# KiCad board Lime_RFE.kicad_pcb (continued)
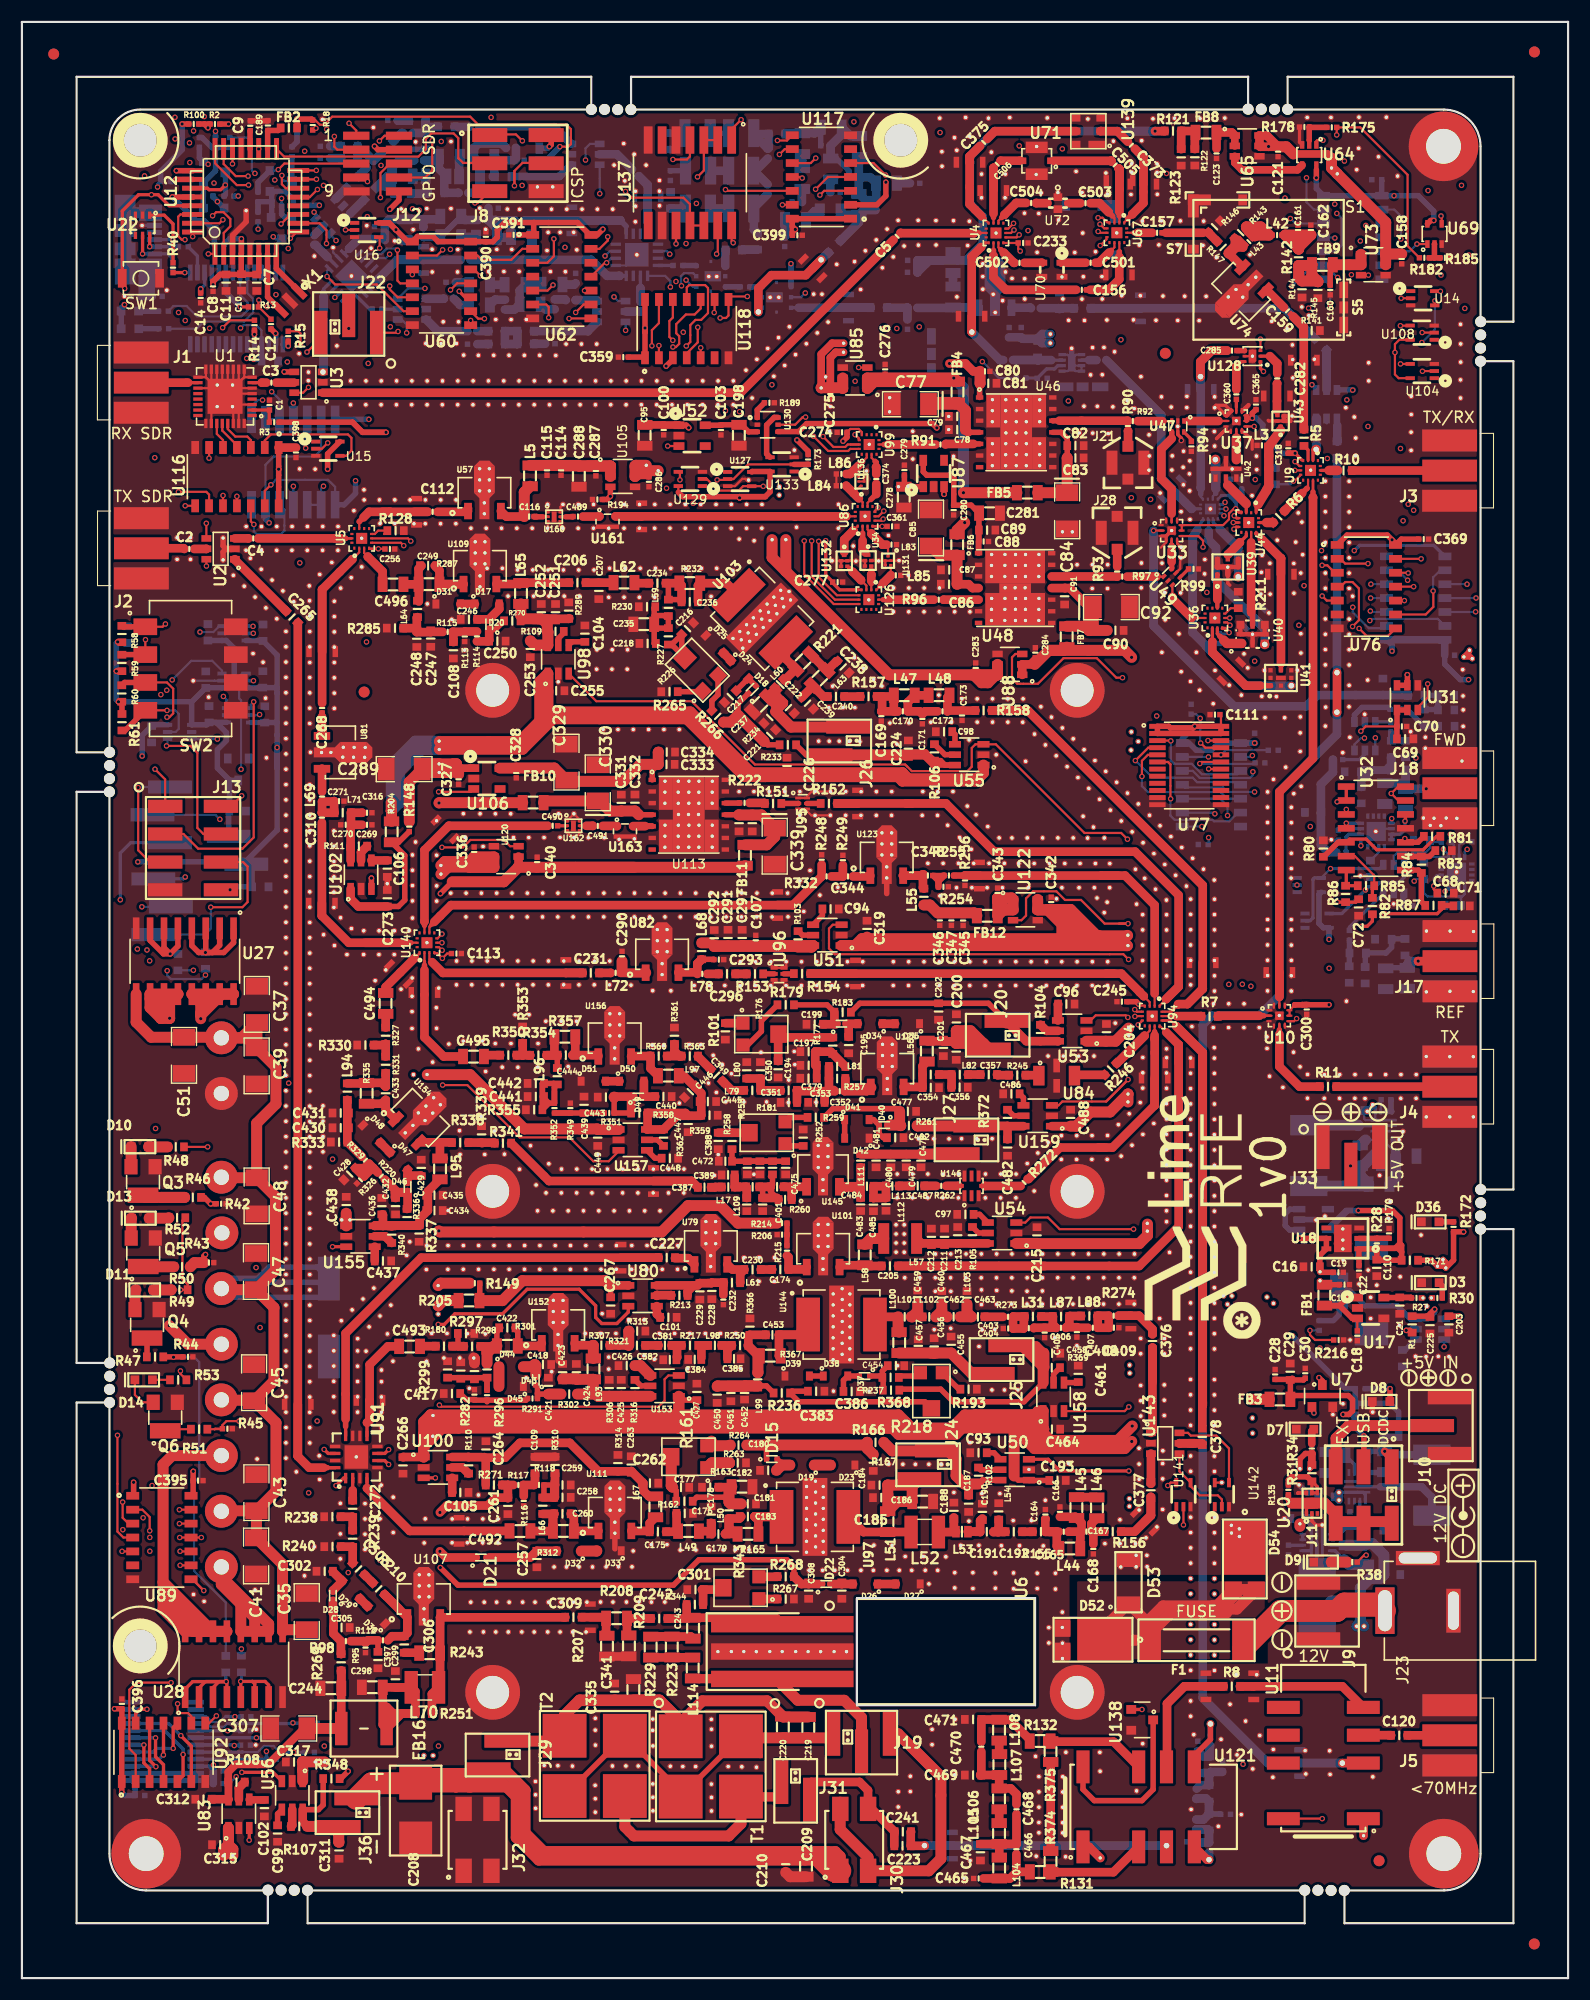
[diagram p0: board, top side]
## Nets (continued)
GND: C1.2 C7.2 C8.2 C9.1 C10.2 C11.2 C13.2 C14.2 C15.2 C16.2 C17.2 C18.2 C19.2 C20.1 C21.1 C22.2 C23.1 C24.2 C25.1 C26.1 C27.2 C28.2 C29.2 C30.2 C31.2 C32.2 C33.2 C34.2 C35.2 C36.2 C37.2 C38.2 C39.2 C40.2 C41.2 C42.2 C43.2 C44.2 C45.2 C46.2 C47.2 C48.2 C49.2 C50.2 C51.2 C52.2 C53.2 C54.2 C55.2 C56.2 C57.2 C64.1 C66.1 C67.1 C68.1 C69.2 C70.2 C71.2 C72.2 C74.2 C75.2 C77.2 C78.2 C79.2 C80.2 C81.2 C82.2 C83.2 C84.2 C85.2 C86.2 C87.2 C88.2 C89.2 C90.2 C91.2 C92.2 C93.2 C94.2 C95.2 C96.2 C97.2 C98.2 C99.2 C100.2 C101.2 C102.2 C103.2 C104.2 C105.2 C106.2 C107.2 C108.2 C109.2 C110.2 C111.1 C113.2 C114.2 C115.2 C121.2 C123.2 C124.1 C125.1 C127.2 C129.2 C131.2 C133.2 C135.2 C137.2 C139.2 C147.2 C149.2 C150.2 C152.2 C155.2 C158.2 C160.2 C161.1 C162.1 C163.1 C164.2 C166.2 C168.2 C169.2 C171.2 C173.2 C176.2 C177.1 C178.2 C180.2 C181.2 C182.1 C184.2 C185.1 C186.2 C187.2 C188.2 C189.1 C190.2 C193.1 C194.1 C195.2 C196.2 C197.2 C198.2 C199.2 C200.1 C201.1 C202.2 C203.1 C204.1 C207.2 C208.2 C209.1 C210.1 C211.1 C212.1 C213.2 C214.2 C215.1 C216.1 C217.2 C218.2 C221.2 C222.1 C224.2 C225.2 C226.1 C228.2 C229.2 C232.2 C233.2 C235.2 C237.1 C238.2 C239.2 C244.2 C245.2 C246.2 C247.2 C248.2 C250.2 C251.1 C252.1 C253.2 C254.2 C255.1 C256.2 C257.2 C258.2 C259.2 C261.2 C262.1 C263.1 C264.2 C266.1 C267.1 C269.1 C270.1 C271.2 C273.1 C274.2 C275.2 C276.2 C277.2 C278.2 C279.2 C280.2 C281.2 C283.2 C284.2 C286.2 C287.2 C288.2 C289.2 C290.2 C291.2 C292.2 C293.2 C297.2 C298.2 C299.2 C300.2 C301.1 C302.2 C304.2 C305.2 C307.2 C308.2 C311.2 C312.2 C314.2 C315.1 C316.2 C317.1 C318.2 C319.1 C320.2 C322.2 C324.2 C326.2 C327.2 C328.2 C329.2 C330.2 C331.2 C332.2 C333.2 C334.2 C335.1 C336.2 C337.2 C338.2 C339.2 C340.2 C341.1 C342.2 C343.2 C345.2 C346.1 C347.1 C350.1 C352.2 C354.2 C356.2 C358.1 C359.1 C361.2 C362.1 C363.2 C364.2 C365.2 C366.2 C368.2 C369.1 C370.2 C371.2 C379.2 C380.1 C382.2 C383.1 C384.2 C385.2 C386.2 C388.1 C389.1 C390.1 C391.1 C392.1 C393.2 C394.1 C395.1 C396.1 C397.2 C398.1 C399.1 C401.2 C402.2 C403.2 C405.2 C407.2 C409.2 C410.2 C412.2 C414.2 C416.2 C417.2 C418.2 C419.2 C420.2 C421.2 C423.1 C424.1 C425.2 C426.2 C427.1 C428.2 C429.2 C430.2 C431.2 C432.2 C434.1 C435.1 C436.2 C437.2 C438.1 C439.2 C440.2 C441.2 C442.2 C443.2 C445.1 C446.1 C447.2 C448.2 C449.1 C450.2 C451.2 C452.2 C454.2 C455.1 C456.1 C457.1 C458.2 C459.1 C460.2 C461.2 C464.1 C465.2 C467.2 C469.2 C471.2 C472.2 C473.2 C474.2 C475.2 C477.2 C478.1 C479.1 C480.1 C481.1 C482.2 C483.2 C485.2 C486.2 C488.1 C507.1 C508.1 CON1.5 D3.2 D7.2 D8.2 D9.2 D12.1 D12.2 D23.1 D25.1 D27.1 D30.1 D31.1 D33.1 D35.1 D36.2 D39.1 D42.1 D45.1 D48.1 D51.1 D52.2 D53.2 GND_VIA.1 GND_VIA#2.1 GND_VIA#3.1 GND_VIA#4.1 GND_VIA#5.1 GND_VIA#6.1 GND_VIA#7.1 GND_VIA#8.1 GND_VIA#9.1 GND_VIA#10.1 GND_VIA#11.1 GND_VIA#12.1 GND_VIA#13.1 GND_VIA#14.1 GND_VIA#15.1 GND_VIA#16.1 GND_VIA#18.1 GND_VIA#19.1 GND_VIA#20.1 GND_VIA#21.1 GND_VIA#22.1 GND_VIA#23.1 GND_VIA#24.1 GND_VIA#25.1 GND_VIA#26.1 GND_VIA#27.1 GND_VIA#28.1 GND_VIA#29.1 GND_VIA#33.1 GND_VIA#34.1 GND_VIA#41.1 GND_VIA#42.1 GND_VIA#43.1 GND_VIA#46.1 GND_VIA#47.1 GND_VIA#48.1 GND_VIA#49.1 GND_VIA#50.1 GND_VIA#51.1 GND_VIA#52.1 GND_VIA#53.1 GND_VIA#54.1 GND_VIA#55.1 GND_VIA#56.1 GND_VIA#57.1 GND_VIA#58.1 GND_VIA#59.1 GND_VIA#60.1 GND_VIA#61.1 GND_VIA#62.1 GND_VIA#63.1 GND_VIA#64.1 GND_VIA#65.1 GND_VIA#66.1 GND_VIA#67.1 GND_VIA#68.1 GND_VIA#69.1 GND_VIA#70.1 GND_VIA#71.1 GND_VIA#72.1 GND_VIA#73.1 GND_VIA#74.1 GND_VIA#75.1 GND_VIA#76.1 GND_VIA#77.1 GND_VIA#78.1 GND_VIA#79.1 GND_VIA#80.1 GND_VIA#81.1 GND_VIA#82.1 GND_VIA#83.1 GND_VIA#84.1 GND_VIA#85.1 GND_VIA#86.1 GND_VIA#87.1 GND_VIA#88.1 GND_VIA#89.1 GND_VIA#90.1 GND_VIA#91.1 GND_VIA#92.1 GND_VIA#93.1 GND_VIA#94.1 GND_VIA#95.1 GND_VIA#96.1 GND_VIA#97.1 GND_VIA#98.1 GND_VIA#102.1 GND_VIA#103.1 GND_VIA#104.1 GND_VIA#107.1 GND_VIA#108.1 GND_VIA#109.1 GND_VIA#110.1 GND_VIA#111.1 GND_VIA#112.1 GND_VIA#113.1 GND_VIA#114.1 GND_VIA#115.1 GND_VIA#116.1 GND_VIA#117.1 GND_VIA#118.1 GND_VIA#119.1 GND_VIA#120.1 GND_VIA#121.1 GND_VIA#122.1 GND_VIA#123.1 GND_VIA#124.1 GND_VIA#125.1 GND_VIA#126.1 GND_VIA#127.1 GND_VIA#128.1 GND_VIA#129.1 GND_VIA#130.1 GND_VIA#131.1 GND_VIA#132.1 GND_VIA#133.1 GND_VIA#134.1 GND_VIA#135.1 GND_VIA#136.1 GND_VIA#137.1 GND_VIA#138.1 GND_VIA#139.1 GND_VIA#140.1 GND_VIA#141.1 GND_VIA#142.1 GND_VIA#143.1 GND_VIA#144.1 GND_VIA#145.1 GND_VIA#146.1 GND_VIA#147.1 GND_VIA#148.1 GND_VIA#149.1 GND_VIA#150.1 GND_VIA#151.1 GND_VIA#152.1 GND_VIA#153.1 GND_VIA#154.1 GND_VIA#155.1 GND_VIA#156.1 GND_VIA#157.1 GND_VIA#158.1 GND_VIA#159.1 GND_VIA#160.1 GND_VIA#161.1 GND_VIA#162.1 GND_VIA#163.1 GND_VIA#164.1 GND_VIA#165.1 GND_VIA#166.1 GND_VIA#167.1 GND_VIA#168.1 GND_VIA#169.1 GND_VIA#170.1 GND_VIA#171.1 GND_VIA#172.1 GND_VIA#173.1 GND_VIA#174.1 GND_VIA#175.1 GND_VIA#176.1 GND_VIA#177.1 GND_VIA#178.1 GND_VIA#179.1 GND_VIA#180.1 GND_VIA#181.1 GND_VIA#182.1 GND_VIA#183.1 GND_VIA#184.1 GND_VIA#185.1 GND_VIA#186.1 GND_VIA#187.1 GND_VIA#188.1 GND_VIA#189.1 GND_VIA#190.1 GND_VIA#191.1 GND_VIA#192.1 GND_VIA#193.1 GND_VIA#194.1 GND_VIA#195.1 GND_VIA#196.1 GND_VIA#197.1 GND_VIA#198.1 GND_VIA#199.1 GND_VIA#200.1 GND_VIA#201.1 GND_VIA#202.1 GND_VIA#203.1 GND_VIA#204.1 GND_VIA#205.1 GND_VIA#206.1 GND_VIA#207.1 GND_VIA#208.1 GND_VIA#209.1 GND_VIA#210.1 GND_VIA#211.1 GND_VIA#212.1 GND_VIA#213.1 GND_VIA#214.1 GND_VIA#215.1 GND_VIA#216.1 GND_VIA#217.1 GND_VIA#218.1 GND_VIA#219.1 GND_VIA#220.1 GND_VIA#221.1 GND_VIA#222.1 GND_VIA#223.1 GND_VIA#224.1 GND_VIA#225.1 GND_VIA#226.1 GND_VIA#227.1 GND_VIA#228.1 GND_VIA#229.1 GND_VIA#230.1 GND_VIA#231.1 GND_VIA#232.1 GND_VIA#233.1 GND_VIA#234.1 GND_VIA#235.1 GND_VIA#236.1 GND_VIA#237.1 GND_VIA#238.1 GND_VIA#239.1 GND_VIA#240.1 GND_VIA#241.1 GND_VIA#242.1 GND_VIA#243.1 GND_VIA#244.1 GND_VIA#245.1 GND_VIA#246.1 GND_VIA#247.1 GND_VIA#248.1 GND_VIA#249.1 GND_VIA#250.1 GND_VIA#251.1 GND_VIA#252.1 GND_VIA#253.1 GND_VIA#254.1 GND_VIA#255.1 GND_VIA#256.1 GND_VIA#257.1 GND_VIA#258.1 GND_VIA#259.1 GND_VIA#260.1 GND_VIA#261.1 GND_VIA#262.1 GND_VIA#263.1 GND_VIA#264.1 GND_VIA#265.1 GND_VIA#266.1 GND_VIA#267.1 GND_VIA#268.1 GND_VIA#269.1 GND_VIA#270.1 GND_VIA#271.1 GND_VIA#272.1 GND_VIA#273.1 GND_VIA#274.1 GND_VIA#275.1 GND_VIA#276.1 GND_VIA#277.1 GND_VIA#278.1 GND_VIA#279.1 GND_VIA#280.1 GND_VIA#281.1 GND_VIA#282.1 GND_VIA#283.1 GND_VIA#284.1 GND_VIA#285.1 GND_VIA#286.1 GND_VIA#287.1 GND_VIA#288.1 GND_VIA#289.1 GND_VIA#290.1 GND_VIA#291.1 GND_VIA#292.1 GND_VIA#293.1 GND_VIA#294.1 GND_VIA#295.1 GND_VIA#296.1 GND_VIA#297.1 GND_VIA#298.1 GND_VIA#299.1 GND_VIA#300.1 GND_VIA#301.1 GND_VIA#302.1 GND_VIA#303.1 GND_VIA#304.1 GND_VIA#305.1 GND_VIA#306.1 GND_VIA#307.1 GND_VIA#308.1 GND_VIA#309.1 GND_VIA#310.1 GND_VIA#311.1 GND_VIA#312.1 GND_VIA#313.1 GND_VIA#314.1 GND_VIA#315.1 GND_VIA#316.1 GND_VIA#317.1 GND_VIA#318.1 GND_VIA#319.1 GND_VIA#320.1 GND_VIA#321.1 GND_VIA#322.1 GND_VIA#323.1 GND_VIA#324.1 GND_VIA#325.1 GND_VIA#326.1 GND_VIA#327.1 GND_VIA#328.1 GND_VIA#329.1 GND_VIA#330.1 GND_VIA#331.1 GND_VIA#332.1 GND_VIA#333.1 GND_VIA#334.1 GND_VIA#335.1 GND_VIA#336.1 GND_VIA#337.1 GND_VIA#338.1 GND_VIA#339.1 GND_VIA#340.1 GND_VIA#341.1 GND_VIA#342.1 GND_VIA#343.1 GND_VIA#344.1 GND_VIA#345.1 GND_VIA#346.1 GND_VIA#347.1 GND_VIA#348.1 GND_VIA#349.1 GND_VIA#350.1 GND_VIA#351.1 GND_VIA#352.1 GND_VIA#353.1 GND_VIA#354.1 GND_VIA#355.1 GND_VIA#356.1 GND_VIA#357.1 GND_VIA#358.1 GND_VIA#359.1 GND_VIA#360.1 GND_VIA#361.1 GND_VIA#362.1 GND_VIA#363.1 GND_VIA#364.1 GND_VIA#365.1 GND_VIA#366.1 GND_VIA#367.1 GND_VIA#368.1 GND_VIA#369.1 GND_VIA#370.1 GND_VIA#371.1 GND_VIA#372.1 GND_VIA#373.1 GND_VIA#374.1 GND_VIA#375.1 GND_VIA#376.1 GND_VIA#377.1 GND_VIA#378.1 GND_VIA#379.1 GND_VIA#380.1 GND_VIA#381.1 GND_VIA#382.1 GND_VIA#383.1 GND_VIA#384.1 GND_VIA#385.1 GND_VIA#386.1 GND_VIA#387.1 GND_VIA#388.1 GND_VIA#389.1 GND_VIA#390.1 GND_VIA#391.1 GND_VIA#392.1 GND_VIA#393.1 GND_VIA#394.1 GND_VIA#395.1 GND_VIA#396.1 GND_VIA#397.1 GND_VIA#398.1 GND_VIA#399.1 GND_VIA#400.1 GND_VIA#401.1 GND_VIA#402.1 GND_VIA#403.1 GND_VIA#404.1 GND_VIA#405.1 GND_VIA#406.1 GND_VIA#407.1 GND_VIA#408.1 GND_VIA#409.1 GND_VIA#410.1 GND_VIA#411.1 GND_VIA#412.1 GND_VIA#413.1 GND_VIA#414.1 GND_VIA#415.1 GND_VIA#416.1 GND_VIA#417.1 GND_VIA#418.1 GND_VIA#419.1 GND_VIA#420.1 GND_VIA#421.1 GND_VIA#422.1 GND_VIA#423.1 GND_VIA#424.1 GND_VIA#425.1 GND_VIA#426.1 GND_VIA#427.1 GND_VIA#428.1 GND_VIA#429.1 GND_VIA#430.1 GND_VIA#431.1 GND_VIA#432.1 GND_VIA#433.1 GND_VIA#434.1 GND_VIA#435.1 GND_VIA#436.1 GND_VIA#437.1 GND_VIA#438.1 GND_VIA#439.1 GND_VIA#440.1 GND_VIA#441.1 GND_VIA#442.1 GND_VIA#443.1 GND_VIA#444.1 GND_VIA#445.1 GND_VIA#446.1 GND_VIA#447.1 GND_VIA#448.1 GND_VIA#449.1 GND_VIA#450.1 GND_VIA#451.1 GND_VIA#452.1 GND_VIA#453.1 GND_VIA#454.1 GND_VIA#455.1 GND_VIA#456.1 GND_VIA#457.1 GND_VIA#458.1 GND_VIA#459.1 GND_VIA#460.1 GND_VIA#461.1 GND_VIA#462.1 GND_VIA#463.1 GND_VIA#464.1 GND_VIA#465.1 GND_VIA#466.1 GND_VIA#467.1 GND_VIA#468.1 GND_VIA#469.1 GND_VIA#470.1 GND_VIA#471.1 GND_VIA#472.1 GND_VIA#473.1 GND_VIA#474.1 GND_VIA#475.1 GND_VIA#476.1 GND_VIA#477.1 GND_VIA#478.1 GND_VIA#479.1 GND_VIA#480.1 GND_VIA#481.1 GND_VIA#482.1 GND_VIA#483.1 GND_VIA#484.1 GND_VIA#485.1 GND_VIA#486.1 GND_VIA#487.1 GND_VIA#488.1 GND_VIA#489.1 GND_VIA#490.1 GND_VIA#491.1 GND_VIA#492.1 GND_VIA#493.1 GND_VIA#494.1 GND_VIA#495.1 GND_VIA#496.1 GND_VIA#497.1 GND_VIA#498.1 GND_VIA#499.1 GND_VIA#500.1 GND_VIA#501.1 GND_VIA#502.1 GND_VIA#503.1 GND_VIA#504.1 GND_VIA#505.1 GND_VIA#506.1 GND_VIA#507.1 GND_VIA#508.1 GND_VIA#509.1 GND_VIA#510.1 GND_VIA#511.1 GND_VIA#512.1 GND_VIA#513.1 GND_VIA#514.1 GND_VIA#515.1 GND_VIA#516.1 GND_VIA#517.1 GND_VIA#518.1 GND_VIA#519.1 GND_VIA#520.1 GND_VIA#521.1 GND_VIA#522.1 GND_VIA#523.1 GND_VIA#524.1 GND_VIA#525.1 GND_VIA#526.1 GND_VIA#527.1 GND_VIA#528.1 GND_VIA#529.1 GND_VIA#530.1 GND_VIA#531.1 GND_VIA#532.1 GND_VIA#533.1 GND_VIA#534.1 GND_VIA#535.1 GND_VIA#536.1 GND_VIA#537.1 GND_VIA#538.1 GND_VIA#539.1 GND_VIA#540.1 GND_VIA#541.1 GND_VIA#542.1 GND_VIA#543.1 GND_VIA#544.1 GND_VIA#545.1 GND_VIA#546.1 GND_VIA#547.1 GND_VIA#562.1 GND_VIA#563.1 GND_VIA#564.1 GND_VIA#565.1 GND_VIA#566.1 GND_VIA#567.1 GND_VIA#568.1 GND_VIA#569.1 GND_VIA#570.1 GND_VIA#571.1 GND_VIA#572.1 GND_VIA#573.1 GND_VIA#574.1 GND_VIA#575.1 GND_VIA#576.1 GND_VIA#577.1 GND_VIA#578.1 GND_VIA#579.1 GND_VIA#580.1 GND_VIA#581.1 GND_VIA#582.1 GND_VIA#583.1 GND_VIA#584.1 GND_VIA#585.1 GND_VIA#586.1 GND_VIA#587.1 GND_VIA#588.1 GND_VIA#589.1 GND_VIA#590.1 GND_VIA#591.1 GND_VIA#592.1 GND_VIA#593.1 GND_VIA#594.1 GND_VIA#595.1 GND_VIA#596.1 GND_VIA#597.1 GND_VIA#598.1 GND_VIA#599.1 GND_VIA#600.1 GND_VIA#601.1 GND_VIA#602.1 GND_VIA#603.1 GND_VIA#604.1 GND_VIA#605.1 GND_VIA#606.1 GND_VIA#607.1 GND_VIA#608.1 GND_VIA#609.1 GND_VIA#610.1 GND_VIA#611.1 GND_VIA#612.1 GND_VIA#613.1 GND_VIA#614.1 GND_VIA#615.1 GND_VIA#616.1 GND_VIA#617.1 GND_VIA#618.1 GND_VIA#619.1 GND_VIA#620.1 GND_VIA#621.1 GND_VIA#622.1 GND_VIA#623.1 GND_VIA#624.1 GND_VIA#625.1 GND_VIA#626.1 GND_VIA#627.1 GND_VIA#628.1 GND_VIA#629.1 GND_VIA#630.1 GND_VIA#631.1 GND_VIA#632.1 GND_VIA#633.1 GND_VIA#634.1 GND_VIA#635.1 GND_VIA#636.1 GND_VIA#637.1 GND_VIA#638.1 GND_VIA#639.1 GND_VIA#640.1 GND_VIA#641.1 GND_VIA#642.1 GND_VIA#643.1 GND_VIA#644.1 GND_VIA#645.1 GND_VIA#646.1 GND_VIA#647.1 GND_VIA#648.1 GND_VIA#649.1 GND_VIA#650.1 GND_VIA#651.1 GND_VIA#652.1 GND_VIA#653.1 GND_VIA#654.1 GND_VIA#655.1 GND_VIA#656.1 GND_VIA#657.1 GND_VIA#658.1 GND_VIA#659.1 GND_VIA#660.1 GND_VIA#661.1 GND_VIA#662.1 GND_VIA#663.1 GND_VIA#664.1 GND_VIA#665.1 GND_VIA#666.1 GND_VIA#671.1 GND_VIA#672.1 GND_VIA#673.1 GND_VIA#674.1 GND_VIA#675.1 GND_VIA#676.1 GND_VIA#677.1 GND_VIA#678.1 GND_VIA#679.1 GND_VIA#680.1 GND_VIA#681.1 GND_VIA#682.1 GND_VIA#683.1 GND_VIA#684.1 GND_VIA#685.1 GND_VIA#686.1 GND_VIA#687.1 GND_VIA#688.1 GND_VIA#689.1 GND_VIA#690.1 GND_VIA#691.1 GND_VIA#692.1 GND_VIA#693.1 GND_VIA#694.1 GND_VIA#695.1 GND_VIA#696.1 GND_VIA#697.1 GND_VIA#698.1 GND_VIA#699.1 GND_VIA#700.1 GND_VIA#701.1 GND_VIA#702.1 GND_VIA#703.1 GND_VIA#704.1 GND_VIA#705.1 GND_VIA#706.1 GND_VIA#707.1 GND_VIA#708.1 GND_VIA#709.1 GND_VIA#710.1 GND_VIA#711.1 GND_VIA#712.1 GND_VIA#713.1 GND_VIA#714.1 GND_VIA#715.1 GND_VIA#716.1 GND_VIA#717.1 GND_VIA#718.1 GND_VIA#719.1 GND_VIA#720.1 GND_VIA#721.1 GND_VIA#722.1 GND_VIA#723.1 GND_VIA#724.1 GND_VIA#725.1 GND_VIA#726.1 GND_VIA#727.1 GND_VIA#728.1 GND_VIA#729.1 GND_VIA#730.1 GND_VIA#731.1 GND_VIA#732.1 GND_VIA#733.1 GND_VIA#734.1 GND_VIA#735.1 GND_VIA#736.1 GND_VIA#737.1 GND_VIA#738.1 GND_VIA#739.1 GND_VIA#740.1 GND_VIA#741.1 GND_VIA#742.1 GND_VIA#743.1 GND_VIA#744.1 GND_VIA#745.1 GND_VIA#746.1 GND_VIA#747.1 GND_VIA#748.1 GND_VIA#749.1 GND_VIA#750.1 GND_VIA#751.1 GND_VIA#752.1 GND_VIA#753.1 GND_VIA#754.1 GND_VIA#755.1 GND_VIA#756.1 GND_VIA#757.1 GND_VIA#758.1 GND_VIA#759.1 GND_VIA#760.1 GND_VIA#761.1 GND_VIA#762.1 GND_VIA#763.1 GND_VIA#764.1 GND_VIA#765.1 GND_VIA#766.1 GND_VIA#767.1 GND_VIA#768.1 GND_VIA#769.1 GND_VIA#770.1 GND_VIA#771.1 GND_VIA#772.1 GND_VIA#773.1 GND_VIA#774.1 GND_VIA#775.1 GND_VIA#776.1 GND_VIA#777.1 GND_VIA#778.1 GND_VIA#779.1 GND_VIA#780.1 GND_VIA#781.1 GND_VIA#782.1 GND_VIA#783.1 GND_VIA#784.1 GND_VIA#785.1 GND_VIA#786.1 GND_VIA#787.1 GND_VIA#788.1 GND_VIA#789.1 GND_VIA#790.1 GND_VIA#791.1 GND_VIA#792.1 GND_VIA#793.1 GND_VIA#794.1 GND_VIA#795.1 GND_VIA#796.1 GND_VIA#797.1 GND_VIA#798.1 GND_VIA#799.1 GND_VIA#800.1 GND_VIA#801.1 GND_VIA#802.1 GND_VIA#803.1 GND_VIA#804.1 GND_VIA#805.1 GND_VIA#806.1 GND_VIA#807.1 GND_VIA#808.1 GND_VIA#809.1 GND_VIA#810.1 GND_VIA#811.1 GND_VIA#812.1 GND_VIA#813.1 GND_VIA#814.1 GND_VIA#815.1 GND_VIA#816.1 GND_VIA#817.1 GND_VIA#818.1 GND_VIA#819.1 GND_VIA#820.1 GND_VIA#821.1 GND_VIA#822.1 GND_VIA#823.1 GND_VIA#824.1 GND_VIA#825.1 GND_VIA#826.1 GND_VIA#827.1 GND_VIA#828.1 GND_VIA#829.1 GND_VIA#830.1 GND_VIA#831.1 GND_VIA#832.1 GND_VIA#833.1 GND_VIA#834.1 GND_VIA#835.1 GND_VIA#836.1 GND_VIA#837.1 GND_VIA#838.1 GND_VIA#839.1 GND_VIA#840.1 GND_VIA#841.1 GND_VIA#842.1 GND_VIA#843.1 GND_VIA#844.1 GND_VIA#845.1 GND_VIA#846.1 GND_VIA#847.1 GND_VIA#848.1 GND_VIA#849.1 GND_VIA#850.1 GND_VIA#851.1 GND_VIA#852.1 GND_VIA#853.1 GND_VIA#854.1 GND_VIA#855.1 GND_VIA#856.1 GND_VIA#857.1 GND_VIA#858.1 GND_VIA#859.1 GND_VIA#860.1 GND_VIA#861.1 GND_VIA#862.1 GND_VIA#863.1 GND_VIA#864.1 GND_VIA#865.1 GND_VIA#866.1 GND_VIA#867.1 GND_VIA#868.1 GND_VIA#869.1 GND_VIA#870.1 GND_VIA#871.1 GND_VIA#872.1 GND_VIA#873.1 GND_VIA#874.1 GND_VIA#875.1 GND_VIA#876.1 GND_VIA#877.1 GND_VIA#878.1 GND_VIA#879.1 GND_VIA#880.1 GND_VIA#881.1 GND_VIA#882.1 GND_VIA#883.1 GND_VIA#884.1 GND_VIA#885.1 GND_VIA#886.1 GND_VIA#887.1 GND_VIA#888.1 GND_VIA#889.1 GND_VIA#890.1 GND_VIA#891.1 GND_VIA#892.1 GND_VIA#893.1 GND_VIA#894.1 GND_VIA#895.1 GND_VIA#896.1 GND_VIA#897.1 GND_VIA#898.1 GND_VIA#899.1 GND_VIA#900.1 GND_VIA#901.1 GND_VIA#902.1 GND_VIA#903.1 GND_VIA#904.1 GND_VIA#905.1 GND_VIA#906.1 GND_VIA#907.1 GND_VIA#908.1 GND_VIA#909.1 GND_VIA#910.1 GND_VIA#911.1 GND_VIA#912.1 GND_VIA#913.1 GND_VIA#914.1 GND_VIA#915.1 GND_VIA#916.1 GND_VIA#917.1 GND_VIA#918.1 GND_VIA#919.1 GND_VIA#920.1 GND_VIA#921.1 GND_VIA#922.1 GND_VIA#923.1 GND_VIA#924.1 GND_VIA#925.1 GND_VIA#926.1 GND_VIA#927.1 GND_VIA#928.1 GND_VIA#929.1 GND_VIA#930.1 GND_VIA#931.1 GND_VIA#932.1 GND_VIA#933.1 GND_VIA#934.1 GND_VIA#935.1 GND_VIA#936.1 GND_VIA#937.1 GND_VIA#938.1 GND_VIA#939.1 GND_VIA#940.1 GND_VIA#941.1 GND_VIA#942.1 GND_VIA#943.1 GND_VIA#944.1 GND_VIA#945.1 GND_VIA#946.1 GND_VIA#947.1 GND_VIA#948.1 GND_VIA#949.1 GND_VIA#950.1 GND_VIA#951.1 GND_VIA#952.1 GND_VIA#953.1 GND_VIA#954.1 GND_VIA#955.1 GND_VIA#956.1 GND_VIA#957.1 GND_VIA#958.1 GND_VIA#959.1 GND_VIA#960.1 GND_VIA#961.1 GND_VIA#962.1 GND_VIA#963.1 GND_VIA#964.1 GND_VIA#965.1 GND_VIA#966.1 GND_VIA#967.1 GND_VIA#968.1 GND_VIA#969.1 GND_VIA#970.1 GND_VIA#971.1 GND_VIA#972.1 GND_VIA#973.1 GND_VIA#974.1 GND_VIA#975.1 GND_VIA#976.1 GND_VIA#977.1 GND_VIA#978.1 GND_VIA#979.1 GND_VIA#980.1 GND_VIA#981.1 GND_VIA#982.1 GND_VIA#983.1 GND_VIA#984.1 GND_VIA#985.1 GND_VIA#986.1 GND_VIA#987.1 GND_VIA#988.1 GND_VIA#989.1 GND_VIA#990.1 GND_VIA#991.1 GND_VIA#992.1 GND_VIA#993.1 GND_VIA#994.1 GND_VIA#995.1 GND_VIA#996.1 GND_VIA#997.1 GND_VIA#998.1 GND_VIA#999.1 GND_VIA#1000.1 GND_VIA#1001.1 GND_VIA#1002.1 GND_VIA#1003.1 GND_VIA#1004.1 GND_VIA#1005.1 GND_VIA#1006.1 GND_VIA#1007.1 GND_VIA#1008.1 GND_VIA#1009.1 GND_VIA#1010.1 GND_VIA#1011.1 GND_VIA#1012.1 GND_VIA#1013.1 GND_VIA#1014.1 GND_VIA#1015.1 GND_VIA#1016.1 GND_VIA#1017.1 GND_VIA#1018.1 GND_VIA#1019.1 GND_VIA#1020.1 GND_VIA#1021.1 GND_VIA#1022.1 GND_VIA#1023.1 GND_VIA#1024.1 GND_VIA#1025.1 GND_VIA#1026.1 GND_VIA#1027.1 GND_VIA#1028.1 GND_VIA#1029.1 GND_VIA#1030.1 GND_VIA#1031.1 GND_VIA#1032.1 GND_VIA#1033.1 GND_VIA#1034.1 GND_VIA#1035.1 GND_VIA#1036.1 GND_VIA#1037.1 GND_VIA#1038.1 GND_VIA#1039.1 GND_VIA#1040.1 GND_VIA#1041.1 GND_VIA#1042.1 GND_VIA#1043.1 GND_VIA#1044.1 GND_VIA#1045.1 GND_VIA#1046.1 GND_VIA#1047.1 GND_VIA#1048.1 GND_VIA#1049.1 GND_VIA#1050.1 GND_VIA#1051.1 GND_VIA#1052.1 GND_VIA#1053.1 GND_VIA#1054.1 GND_VIA#1055.1 GND_VIA#1056.1 GND_VIA#1057.1 GND_VIA#1058.1 GND_VIA#1059.1 GND_VIA#1060.1 GND_VIA#1061.1 GND_VIA#1062.1 GND_VIA#1063.1 GND_VIA#1064.1 GND_VIA#1067.1 GND_VIA#1068.1 GND_VIA#1069.1 GND_VIA#1070.1 GND_VIA#1071.1 GND_VIA#1072.1 GND_VIA#1073.1 GND_VIA#1076.1 GND_VIA#1077.1 GND_VIA#1078.1 GND_VIA#1079.1 GND_VIA#1080.1 GND_VIA#1081.1 GND_VIA#1082.1 GND_VIA#1083.1 GND_VIA#1084.1 GND_VIA#1085.1 GND_VIA#1086.1 GND_VIA#1087.1 GND_VIA#1088.1 GND_VIA#1089.1 GND_VIA#1090.1 GND_VIA#1091.1 GND_VIA#1092.1 GND_VIA#1093.1 GND_VIA#1094.1 GND_VIA#1095.1 GND_VIA#1096.1 GND_VIA#1097.1 GND_VIA#1098.1 GND_VIA#1099.1 GND_VIA#1100.1 GND_VIA#1101.1 GND_VIA#1102.1 GND_VIA#1103.1 GND_VIA#1104.1 GND_VIA#1105.1 GND_VIA#1106.1 GND_VIA#1107.1 GND_VIA#1108.1 GND_VIA#1109.1 GND_VIA#1110.1 GND_VIA#1111.1 GND_VIA#1112.1 GND_VIA#1113.1 GND_VIA#1114.1 GND_VIA#1115.1 GND_VIA#1116.1 GND_VIA#1117.1 GND_VIA#1118.1 GND_VIA#1119.1 GND_VIA#1120.1 GND_VIA#1121.1 GND_VIA#1122.1 GND_VIA#1123.1 GND_VIA#1124.1 GND_VIA#1125.1 GND_VIA#1126.1 GND_VIA#1127.1 GND_VIA#1128.1 GND_VIA#1129.1 GND_VIA#1130.1 GND_VIA#1131.1 GND_VIA#1132.1 GND_VIA#1133.1 GND_VIA#1134.1 GND_VIA#1135.1 GND_VIA#1136.1 GND_VIA#1137.1 GND_VIA#1138.1 GND_VIA#1139.1 GND_VIA#1140.1 GND_VIA#1141.1 GND_VIA#1142.1 GND_VIA#1143.1 GND_VIA#1144.1 GND_VIA#1145.1 GND_VIA#1146.1 GND_VIA#1147.1 GND_VIA#1148.1 GND_VIA#1149.1 GND_VIA#1150.1 GND_VIA#1151.1 GND_VIA#1152.1 GND_VIA#1153.1 GND_VIA#1154.1 GND_VIA#1155.1 GND_VIA#1156.1 GND_VIA#1157.1 GND_VIA#1158.1 GND_VIA#1159.1 GND_VIA#1160.1 GND_VIA#1161.1 GND_VIA#1162.1 GND_VIA#1163.1 GND_VIA#1164.1 GND_VIA#1165.1 GND_VIA#1166.1 GND_VIA#1167.1 GND_VIA#1168.1 GND_VIA#1169.1 GND_VIA#1170.1 GND_VIA#1171.1 GND_VIA#1172.1 GND_VIA#1173.1 GND_VIA#1174.1 GND_VIA#1175.1 GND_VIA#1176.1 GND_VIA#1177.1 GND_VIA#1178.1 GND_VIA#1179.1 GND_VIA#1180.1 GND_VIA#1181.1 GND_VIA#1182.1 GND_VIA#1183.1 GND_VIA#1184.1 GND_VIA#1185.1 GND_VIA#1186.1 GND_VIA#1187.1 GND_VIA#1188.1 GND_VIA#1189.1 GND_VIA#1190.1 GND_VIA#1191.1 GND_VIA#1192.1 GND_VIA#1193.1 GND_VIA#1194.1 GND_VIA#1195.1 GND_VIA#1196.1 GND_VIA#1197.1 GND_VIA#1198.1 GND_VIA#1199.1 GND_VIA#1200.1 GND_VIA#1201.1 GND_VIA#1202.1 GND_VIA#1203.1 GND_VIA#1204.1 GND_VIA#1205.1 GND_VIA#1206.1 GND_VIA#1207.1 GND_VIA#1208.1 GND_VIA#1209.1 GND_VIA#1210.1 GND_VIA#1211.1 GND_VIA#1212.1 GND_VIA#1213.1 GND_VIA#1214.1 GND_VIA#1215.1 GND_VIA#1216.1 GND_VIA#1217.1 GND_VIA#1218.1 GND_VIA#1219.1 GND_VIA#1220.1 GND_VIA#1221.1 GND_VIA#1222.1 GND_VIA#1223.1 GND_VIA#1224.1 GND_VIA#1225.1 GND_VIA#1226.1 GND_VIA#1227.1 GND_VIA#1228.1 GND_VIA#1229.1 GND_VIA#1230.1 GND_VIA#1231.1 GND_VIA#1232.1 GND_VIA#1233.1 GND_VIA#1234.1 GND_VIA#1235.1 GND_VIA#1236.1 GND_VIA#1237.1 GND_VIA#1238.1 GND_VIA#1239.1 GND_VIA#1240.1 GND_VIA#1241.1 GND_VIA#1242.1 GND_VIA#1243.1 GND_VIA#1244.1 GND_VIA#1245.1 GND_VIA#1246.1 GND_VIA#1247.1 GND_VIA#1248.1 GND_VIA#1249.1 GND_VIA#1250.1 GND_VIA#1251.1 GND_VIA#1252.1 GND_VIA#1253.1 GND_VIA#1259.1 GND_VIA#1260.1 GND_VIA#1261.1 GND_VIA#1262.1 GND_VIA#1263.1 GND_VIA#1264.1 GND_VIA#1265.1 GND_VIA#1266.1 GND_VIA#1267.1 GND_VIA#1268.1 GND_VIA#1269.1 GND_VIA#1270.1 GND_VIA#1271.1 GND_VIA#1272.1 GND_VIA#1273.1 GND_VIA#1274.1 